# Altium PCB TempController.PcbDoc (part 1 of 2)
Units mil, origin at the board's own origin, x right, y up, seen from the top; angles counter-clockwise.
Board outline 2362.2 x 3937.01 mil, 2 copper layers (Top Layer, Bottom Layer); 155 components, 148 nets, 497 pads, 293 vias.
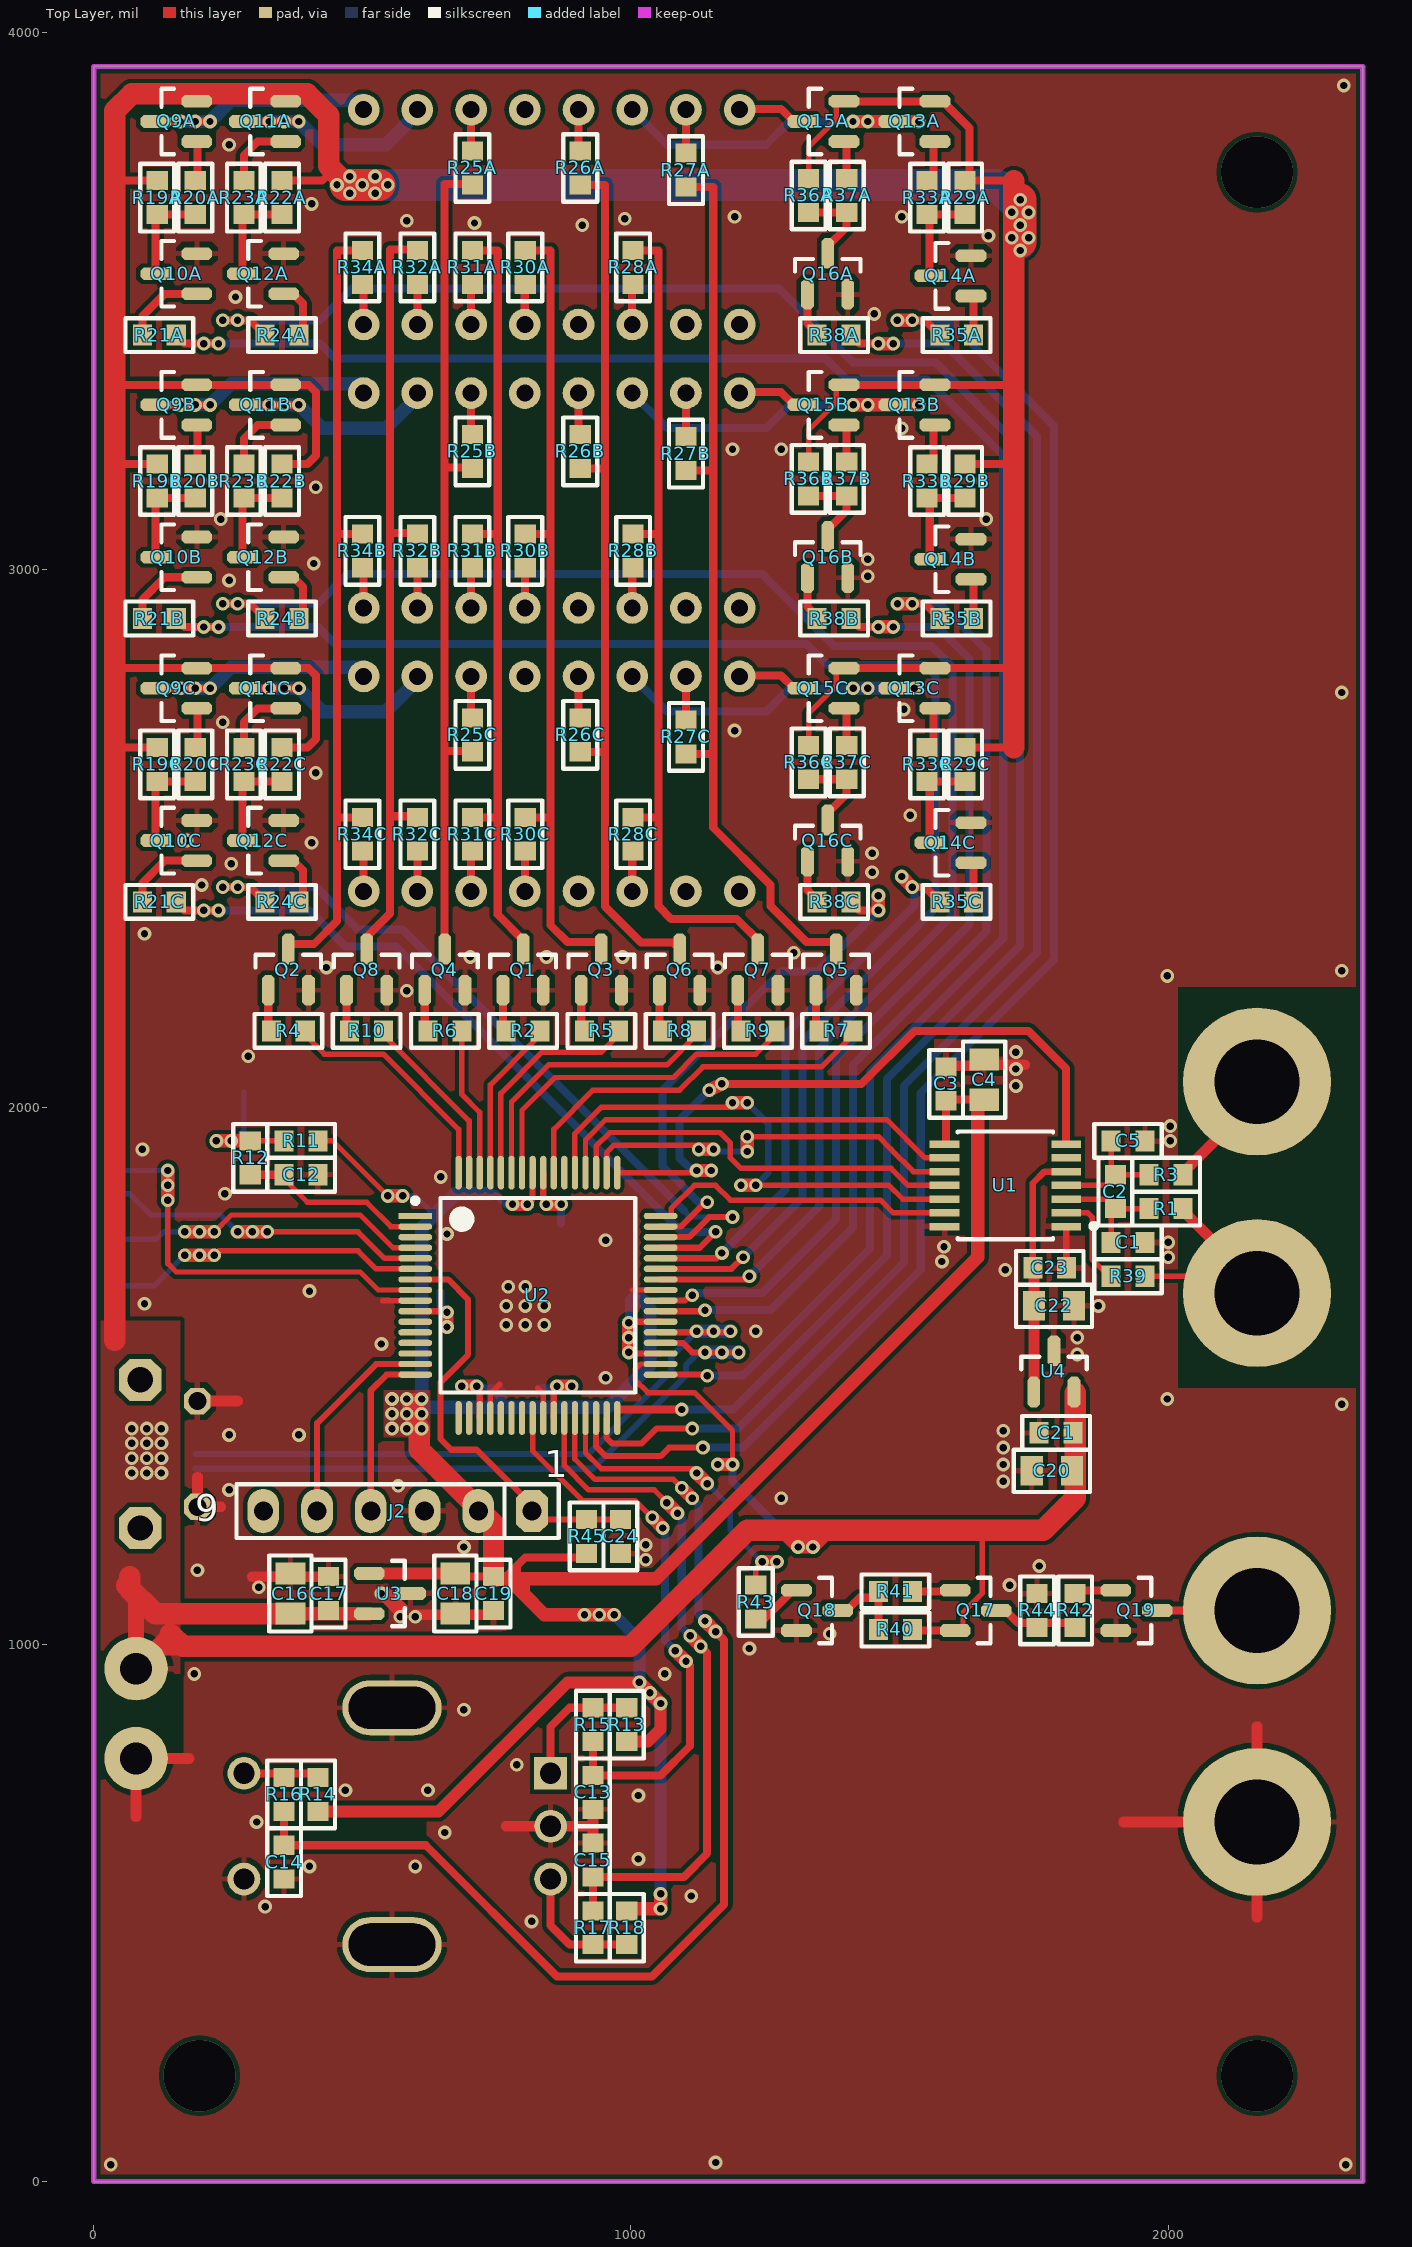
[diagram p0: Top Layer view]
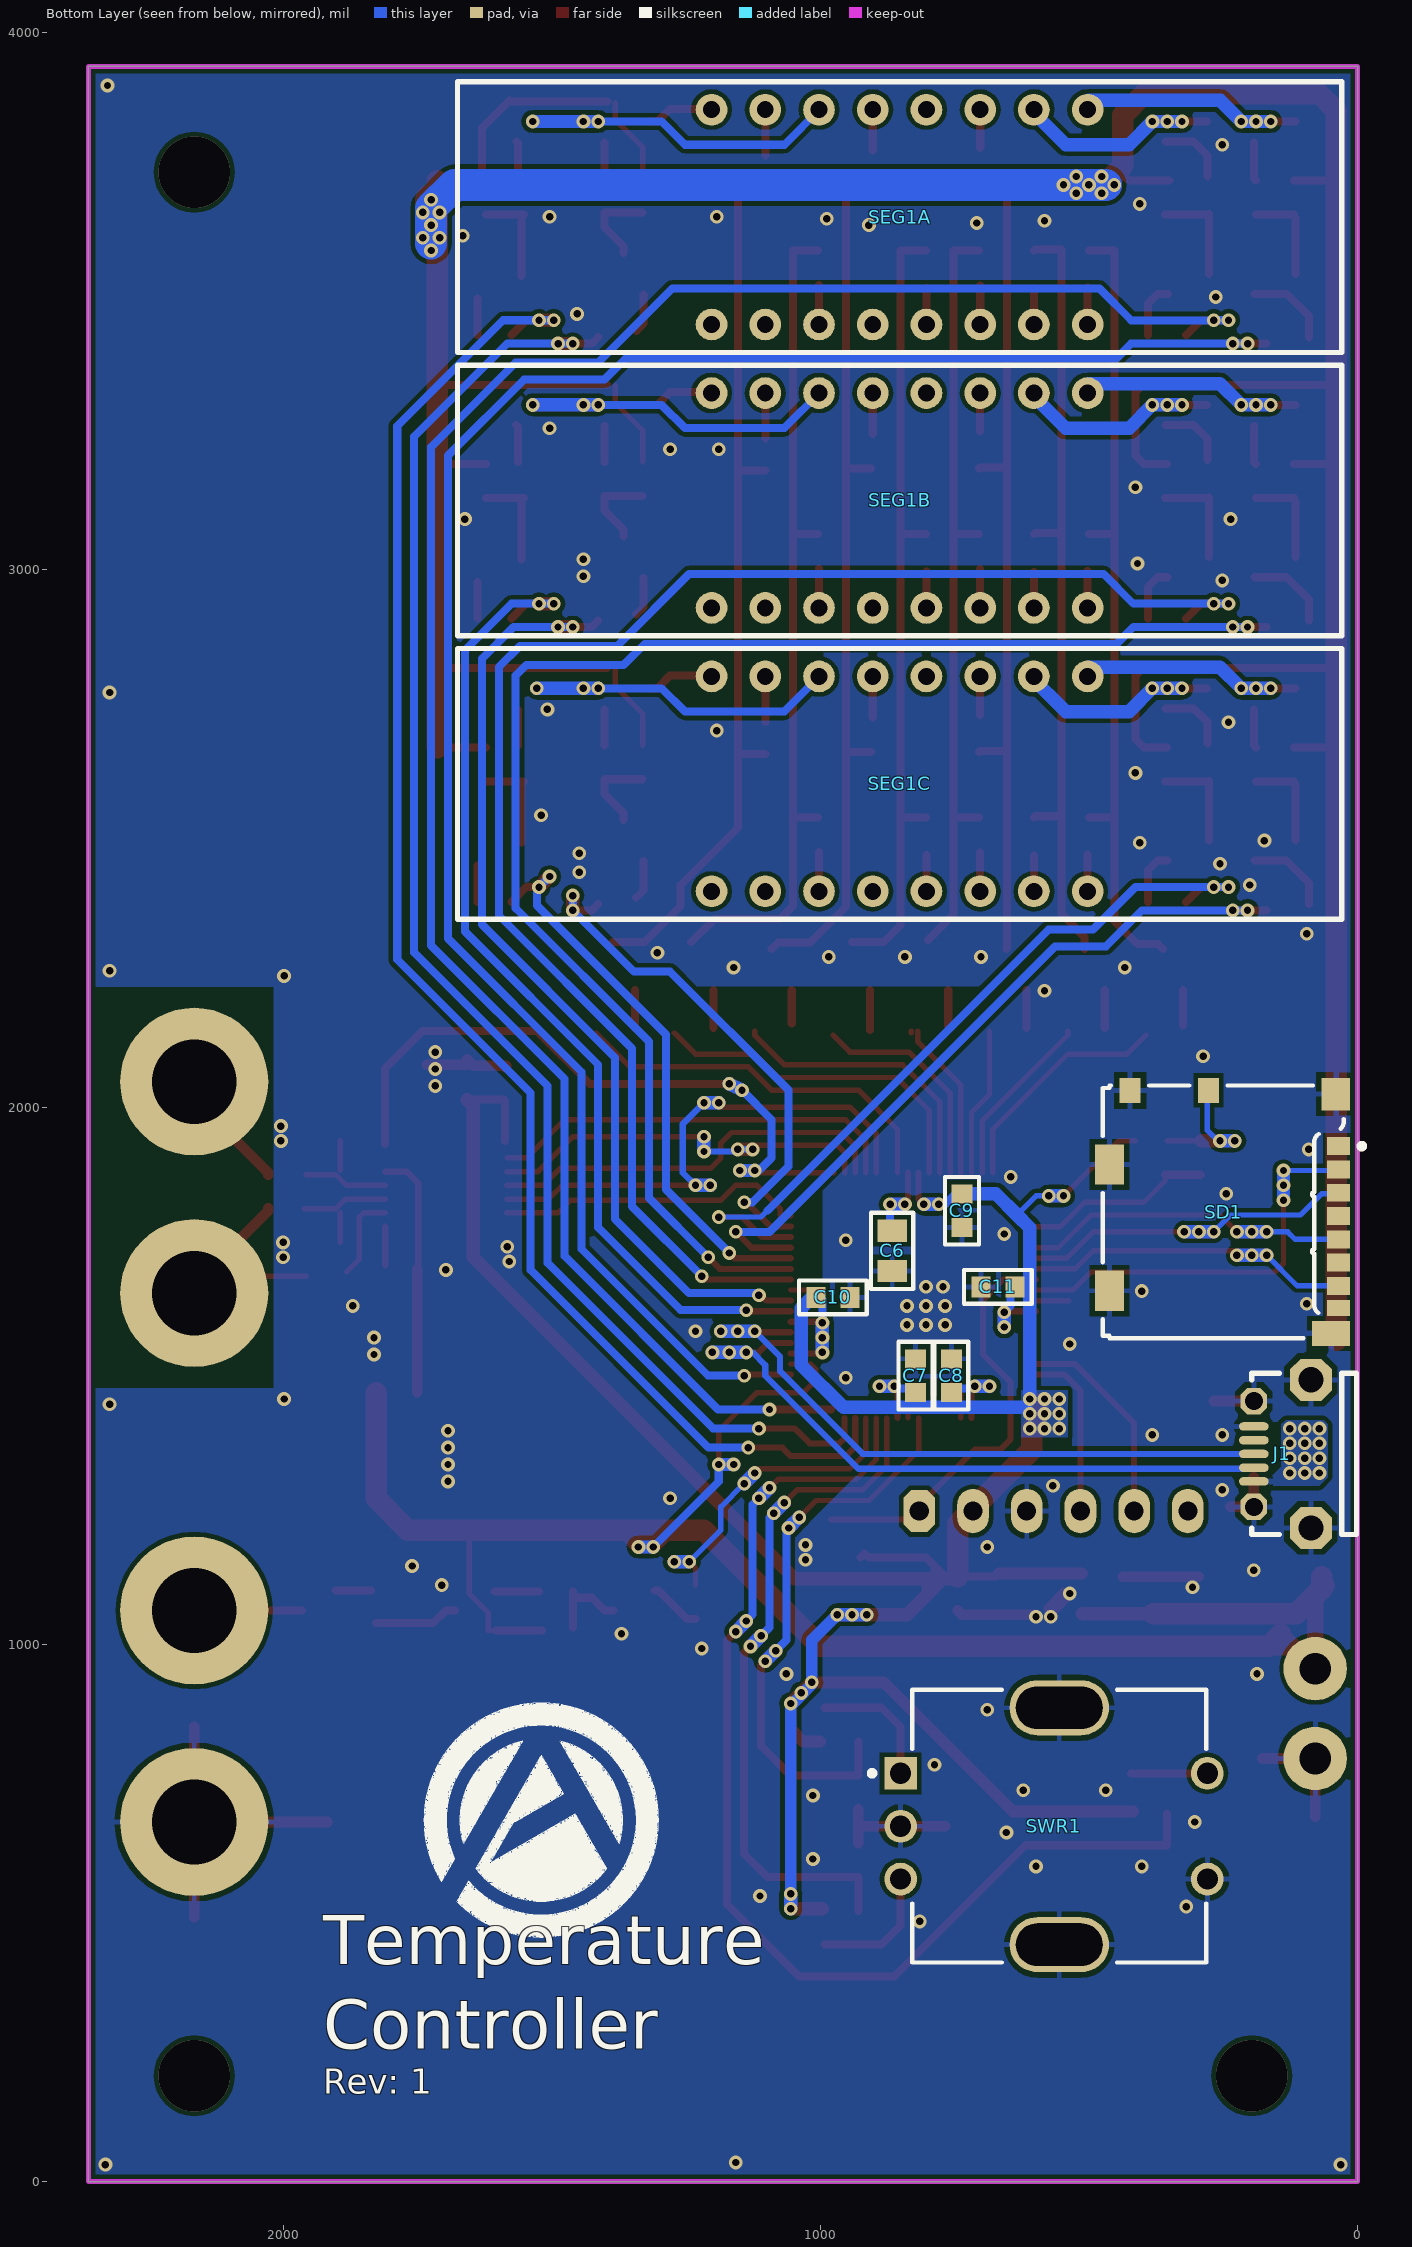
[diagram p1: Bottom Layer view, seen from below]
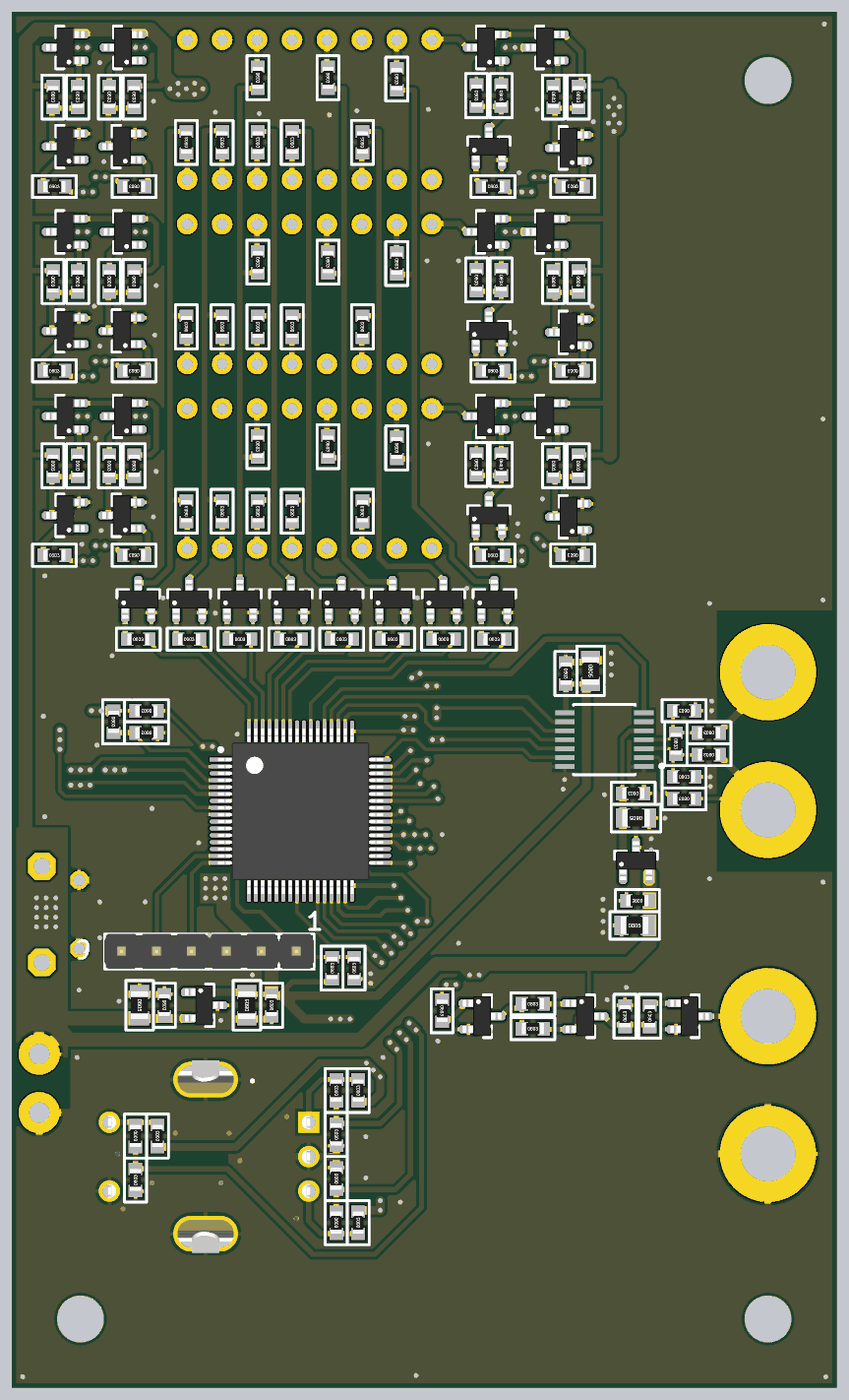
[diagram p3: 3D render of the assembled board from above, using the file's embedded part models]
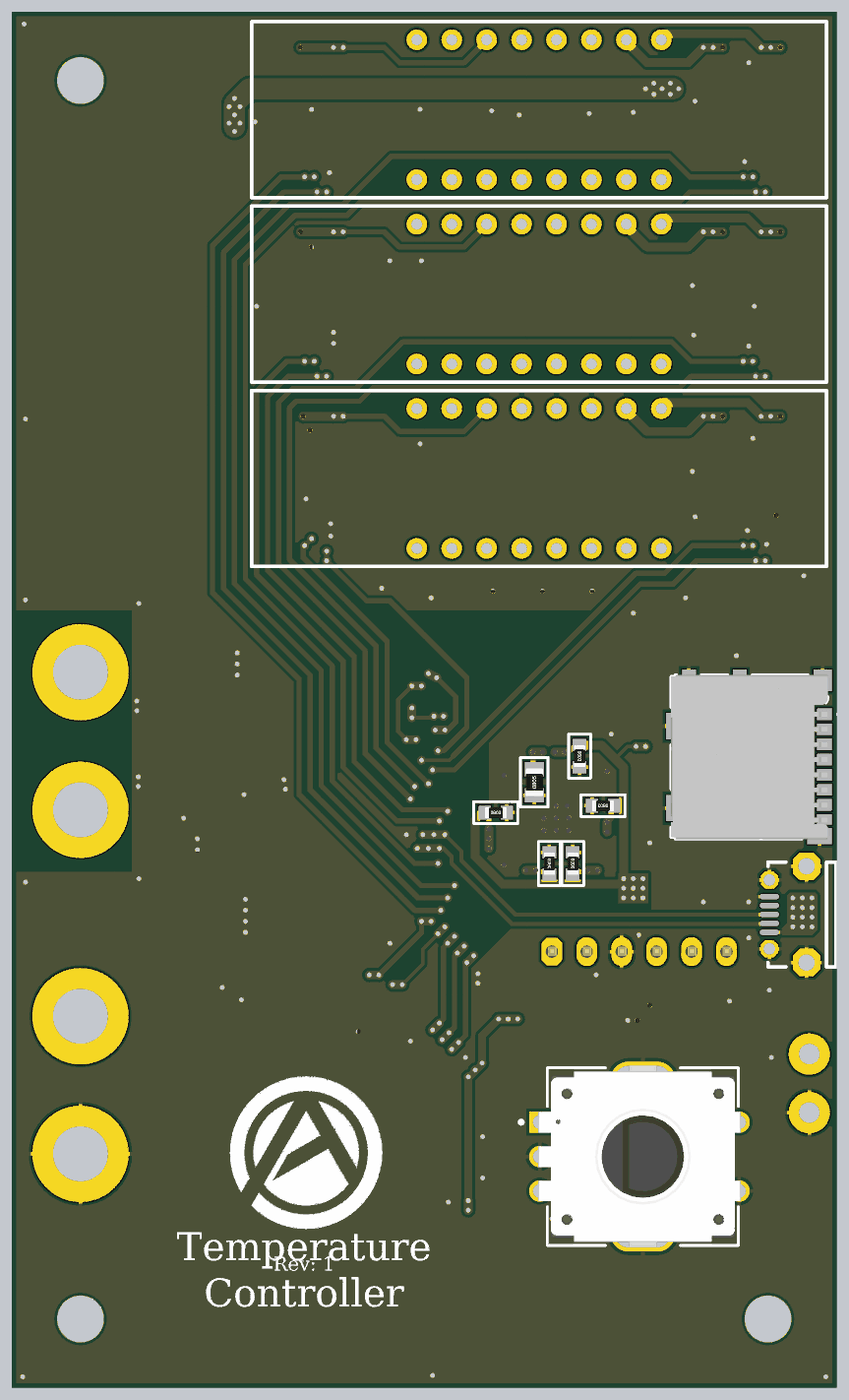
[diagram p4: 3D render of the assembled board from below, using the file's embedded part models]

## Layer stack, top to bottom
Top Solder: solder mask 0.4, Solder Resist, Dk 3.5
Top Layer: signal copper 1.4
Dielectric 1: dielectric 12.6, FR-4, Dk 4.8
Bottom Layer: signal copper 1.4
Bottom Solder: solder mask 0.4, Solder Resist, Dk 3.5

## Board outline
0,0 0,3937.01 2362.2,3937.01 2362.2,0

## Design rules (kind name [scope] priority, off if disabled: settings)
Clearance [All] p1: gap=8 ignorepadtopadclearanceinfootprint=TRUE
ComponentClearance [All] p1: gap=10 collisioncheckmode=3 verticalgap=100000 showdistances=FALSE
Height [All] p1: minheight=0 maxheight=99999 prefheight=500
HoleSize [All] p1: absolutevalues=TRUE maxlimit=99999 minlimit=1 maxpercent=80.000 minpercent=20.000
PolygonConnect PolygonConnect_1 [IsVia] p1: connectstyle=Direct reliefconductorwidth=10 reliefentries=4 polygonreliefangle="90 Angle" airgapwidth=10
PolygonConnect [All] p2: connectstyle=Relief reliefconductorwidth=10 reliefentries=4 polygonreliefangle="90 Angle" airgapwidth=10
RoomDefinition C [InComponentClass('C')] p1: confinementstyle=ConfineIn formatcopy=TRUE lockcomponents=FALSE outline 19.68,2342.52 1681.1,2342.52 1681.1,2862.2 19.68,2862.2
RoomDefinition B [InComponentClass('B')] p2: confinementstyle=ConfineIn formatcopy=TRUE lockcomponents=FALSE outline 19.68,2870.08 1681.1,2870.08 1681.1,3389.76 19.68,3389.76
RoomDefinition A [InComponentClass('A')] p3: confinementstyle=ConfineIn formatcopy=TRUE lockcomponents=FALSE outline 19.68,3397.64 1681.1,3397.64 1681.1,3917.32 19.68,3917.32
RoutingVias [All] p1: holewidth=28 width=50 viastyle="Through Hole" minholewidth=28 minwidth=50 maxholewidth=28 maxwidth=50
SolderMaskExpansion [All] p1: expansion=4 istentingtop=FALSE
Width [All] p1: maxlimit=100 minlimit=10 preferedwidth=10 minimp=50.000000 maximp=50.000000 favimp=50.000000
27 further rules are at their usual default settings.

## Classes and differential pairs
channel class screen: A B C
component class Sheet1: C1 C2 C3 C4 C5 C6 C7 C8 C9 C10 C11 C12 C13 C14 C15 C16 C17 C18 C19 C20 C21 C22 C23 C24 J1 J2 Q1 Q2 Q3 Q4 Q5 Q6 Q7 Q8 Q17 Q18 Q19 R1 R2 R3 R4 R5 R6 R7 R8 R9 R10 R11 R12 R13 R14 R15 R16 R17 R18 R39 R40 R41 R42 R43 R44 R45 SD1 SWR1 U1 U2 U3 U4
component class C: Q9C Q10C Q11C Q12C Q13C Q14C Q15C Q16C R19C R20C R21C R22C R23C R24C R25C R26C R27C R28C R29C R30C R31C R32C R33C R34C R35C R36C R37C R38C SEG1C
component class B: Q9B Q10B Q11B Q12B Q13B Q14B Q15B Q16B R19B R20B R21B R22B R23B R24B R25B R26B R27B R28B R29B R30B R31B R32B R33B R34B R35B R36B R37B R38B SEG1B
component class A: Q9A Q10A Q11A Q12A Q13A Q14A Q15A Q16A R19A R20A R21A R22A R23A R24A R25A R26A R27A R28A R29A R30A R31A R32A R33A R34A R35A R36A R37A R38A SEG1A

## Components (designator, comment, footprint, x,y, rotation, side; value= is the part's Value field where it differs from the comment)
C1 "10nF, *, *, *, Size_0603_N" Size_0603_N 1925.2,1748.03 r0 top value=10nF
C2 ".1uF, *, *, *, Size_0603_N" Size_0603_N 1901.57,1842.52 r270 top value=.1uF
C3 ".1uF, *, *, *, Size_0603_N" Size_0603_N 1586.61,2043.31 r270 top value=.1uF
C4 "1uF, *, *, *, Size_0805_N" Size_0805_N 1657.48,2051.18 r270 top value=1uF
C5 "10nF, *, *, *, Size_0603_N" Size_0603_N 1925.2,1937.01 r180 top value=10nF
C6 "10uF, *, *, *, Size_0805_N" Size_0805_N 866.14,1732.28 r90 bottom value=10uF
C7 ".1nF, *, *, *, Size_0603_N" Size_0603_N 822.83,1500 r90 bottom value=.1nF
C8 ".1nF, *, *, *, Size_0603_N" Size_0603_N 755.91,1500 r90 bottom value=.1nF
C9 ".1nF, *, *, *, Size_0603_N" Size_0603_N 736.22,1807.09 r270 bottom value=.1nF
C10 ".1nF, *, *, *, Size_0603_N" Size_0603_N 976.38,1645.67 r180 bottom value=.1nF
C11 ".1nF, *, *, *, Size_0603_N" Size_0603_N 669.29,1665.35 r0 bottom value=.1nF
C12 "10nF, *, *, *, Size_0603_N" Size_0603_N 385.83,1874.02 r180 top value=10nF
C13 "10nF, *, *, *, Size_0603_N" Size_0603_N 929.13,724.41 r90 top value=10nF
C14 "10nF, *, *, *, Size_0603_N" Size_0603_N 354.33,594.49 r90 top value=10nF
C15 "10nF, *, *, *, Size_0603_N" Size_0603_N 929.13,598.43 r90 top value=10nF
C16 "1uF, *, *, *, Size_0805_N" Size_0805_N 366.14,1094.49 r270 top value=1uF
C17 ".1uF, *, *, *, Size_0603_N" Size_0603_N 437.01,1094.49 r270 top value=.1uF
C18 "1uF, *, *, *, Size_0805_N" Size_0805_N 673.23,1094.49 r90 top value=1uF
C19 ".1uF, *, *, *, Size_0603_N" Size_0603_N 744.09,1094.49 r90 top value=.1uF
C20 "1uF, *, *, *, Size_0805_N" Size_0805_N 1783.46,1322.83 r0 top value=1uF
C21 ".1uF, *, *, *, Size_0603_N" Size_0603_N 1791.34,1393.7 r0 top value=.1uF
C22 "1uF, *, *, *, Size_0805_N" Size_0805_N 1787.4,1629.92 r180 top value=1uF
C23 ".1uF, *, *, *, Size_0603_N" Size_0603_N 1779.53,1700.79 r180 top value=.1uF
C24 ".1uF, *, *, *, Size_0603_N" Size_0603_N 980.32,1200.79 r90 top value=.1uF
J1 "USB Micro B" "USB-MICRO-B (10118194-0001LF)" 86.61,1354.33 r90 bottom
J2 "" "HDR1X6 VERT - L" 815.75,1248.03 r180 top
Q1 "BC817" SOT23-3 799.21,2255.91 r90 top
Q2 "BC817" SOT23-3 362.2,2255.91 r90 top
Q3 "BC817" SOT23-3 944.88,2255.91 r90 top
Q4 "BC817" SOT23-3 653.54,2255.91 r90 top
Q5 "BC817" SOT23-3 1381.89,2255.91 r90 top
Q6 "BC817" SOT23-3 1090.55,2255.91 r90 top
Q7 "BC817" SOT23-3 1236.22,2255.91 r90 top
Q8 "BC817" SOT23-3 507.87,2255.91 r90 top
Q9A "BC807" SOT23-3 153.54,3834.65 r180 top (schematic designator Q9)
Q9B "BC807" SOT23-3 153.54,3307.09 r180 top (schematic designator Q9)
Q9C "BC807" SOT23-3 153.54,2779.53 r180 top (schematic designator Q9)
Q10A "BC817" SOT23-3 153.54,3551.18 r180 top (schematic designator Q10)
Q10B "BC817" SOT23-3 153.54,3023.62 r180 top (schematic designator Q10)
Q10C "BC817" SOT23-3 153.54,2496.06 r180 top (schematic designator Q10)
Q11A "BC807" SOT23-3 318.9,3834.65 r180 top (schematic designator Q11)
Q11B "BC807" SOT23-3 318.9,3307.09 r180 top (schematic designator Q11)
Q11C "BC807" SOT23-3 318.9,2779.53 r180 top (schematic designator Q11)
Q12A "BC817" SOT23-3 314.96,3551.18 r180 top (schematic designator Q12)
Q12B "BC817" SOT23-3 314.96,3023.62 r180 top (schematic designator Q12)
Q12C "BC817" SOT23-3 314.96,2496.06 r180 top (schematic designator Q12)
Q13A "BC807" SOT23-3 1527.56,3834.65 r180 top (schematic designator Q13)
Q13B "BC807" SOT23-3 1527.56,3307.09 r180 top (schematic designator Q13)
Q13C "BC807" SOT23-3 1527.56,2779.53 r180 top (schematic designator Q13)
Q14A "BC817" SOT23-3 1594.49,3547.24 r180 top (schematic designator Q14)
Q14B "BC817" SOT23-3 1594.49,3019.69 r180 top (schematic designator Q14)
Q14C "BC817" SOT23-3 1594.49,2492.13 r180 top (schematic designator Q14)
Q15A "BC807" SOT23-3 1358.27,3834.65 r180 top (schematic designator Q15)
Q15B "BC807" SOT23-3 1358.27,3307.09 r180 top (schematic designator Q15)
Q15C "BC807" SOT23-3 1358.27,2779.53 r180 top (schematic designator Q15)
Q16A "BC817" SOT23-3 1366.14,3551.18 r90 top (schematic designator Q16)
Q16B "BC817" SOT23-3 1366.14,3023.62 r90 top (schematic designator Q16)
Q16C "BC817" SOT23-3 1366.14,2496.06 r90 top (schematic designator Q16)
Q17 "BC807" SOT23-3 1641.73,1062.99 r0 top